# Allegro board MB1167.brd (continued)
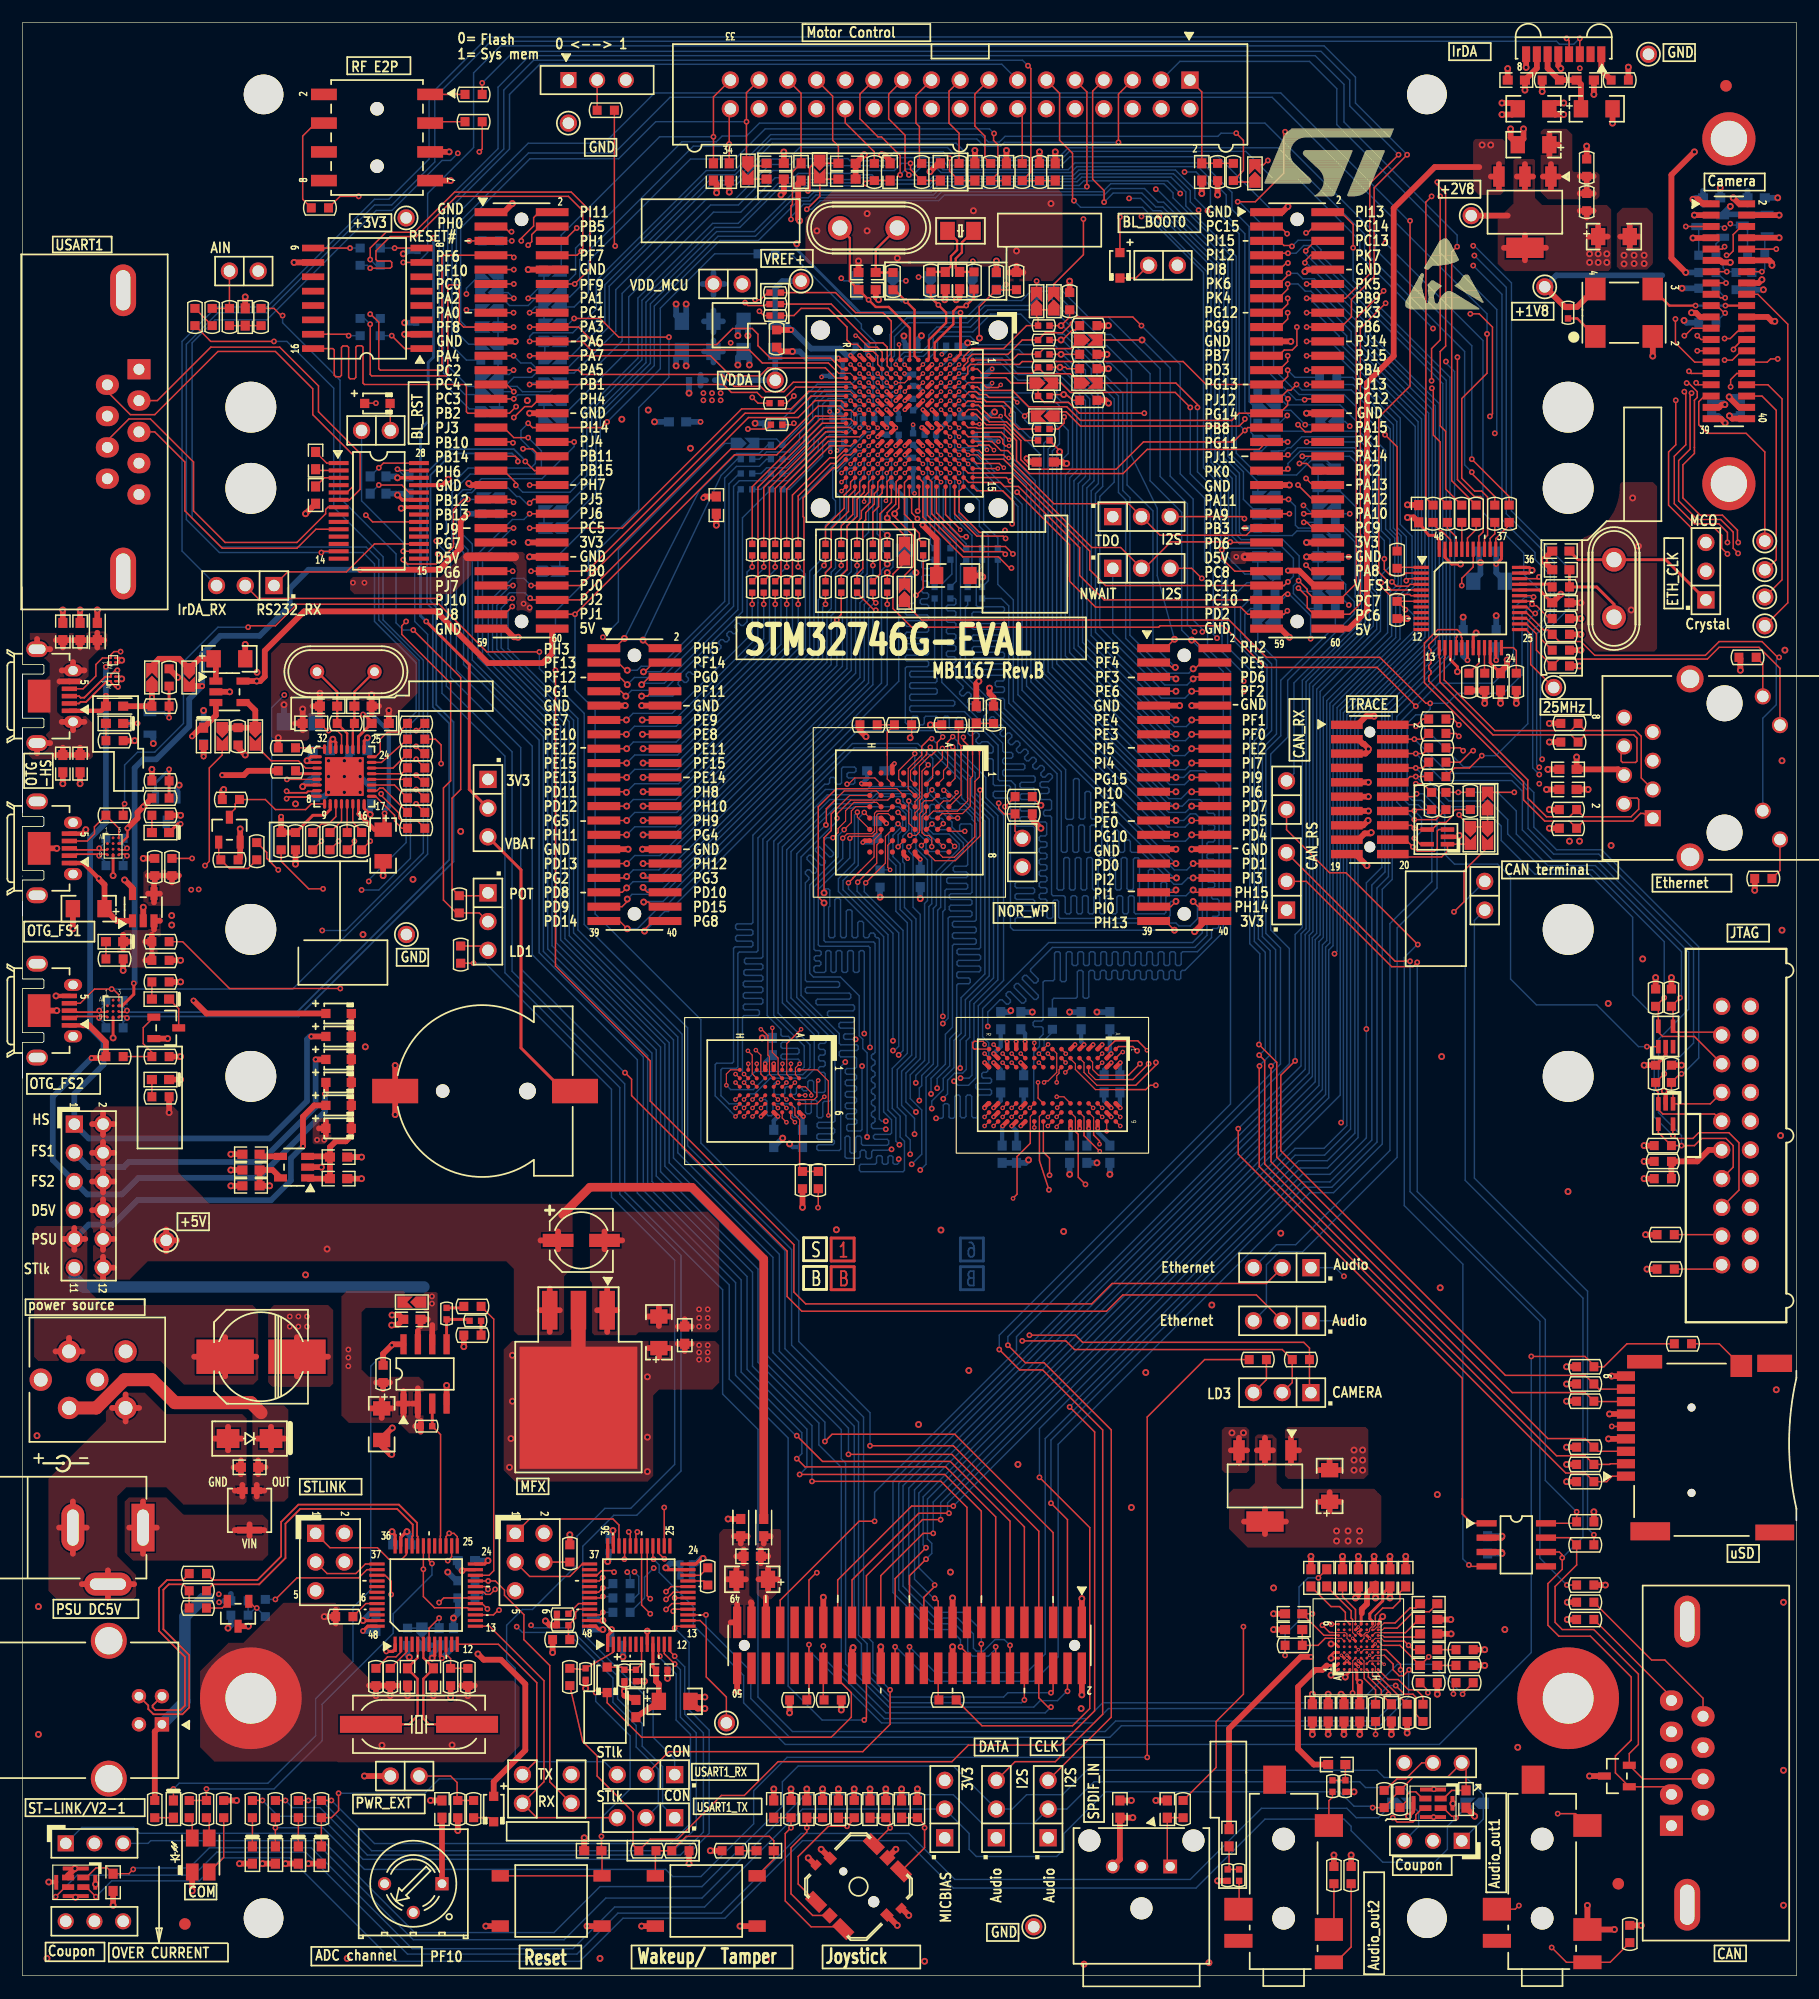
[diagram p0: board, top side]
## Routing (per net, layer and track width the routed paths; a pad name or vN(x,y) marks a point on that pad's centre or on a via; arc(x,y) is an arc through that point) (continued)
NETCN8_3: length 27.7
  TOP w0.155: v1(23.34,104.75) 23.48,104.61 25.11,104.61 25.23,104.74 25.65,104.74 25.71,104.8 U8.7 ; v1(8.38,115.44) 8.2,115.44 7.8,115.04 D4.A2 7.79,114.87 7.3,114.87 5.45,113.02 5.12,113.02 4.99,113.16 CN8.3
  L4_SIG w0.13: v1(8.38,115.44) 8.97,115.44 9.42,114.99 11.76,114.99 20.78,105.97 21.54,105.97 22.9,104.61 23.2,104.61 v1(23.34,104.75)
NETCN8_4: length 29
  TOP w0.127: v1(23.37,105.8) U8.5 ; v1(8.66,117.09) 8.08,117.09 7.8,116.81 D3.A2 7.06,116.53 6.48,115.95 6.48,114.94 5.35,113.81 CN8.4
  L4_SIG w0.102: v1(23.37,105.8) 22.94,105.8 14.61,114.13 14.61,114.71 12.22,117.09 v1(8.66,117.09)
NETCN9_1: length 35.8
  TOP w0.13: CN9.1 143.3,102.79 143.06,102.79 142.39,102.11 138.05,102.11 R120.2 136.78,102.11 134.59,102.11 132.72,103.98 132.72,105.59 123.95,114.35 123.95,117.86 125.14,119.04 126.85,119.04 127.21,118.69 127.21,118.4 127.27,118.34 U6.17
NETCN9_2: length 35.7
  TOP w0.13: U6.16 126.77,118.34 126.83,118.4 126.83,118.53 126.7,118.66 125.29,118.66 124.33,117.7 124.33,117.44 124.54,117.24 124.54,116.98 124.33,116.78 124.33,116.52 124.54,116.31 124.54,116.05 124.33,115.85 124.33,115.59 124.54,115.39 124.54,115.13 124.33,114.93 124.33,114.51 133.1,105.75 133.1,104.14 134.75,102.49 136.78,102.49 R114.2 138.05,102.49 142.23,102.49 142.9,103.16 142.9,104.01 142.77,104.14 141.73,104.14 141.6,104.01 141.6,103.63
NETCN9_3: length 28
  TOP w0.13: CN9.3 143.13,105.92 143.13,109.6 142.62,110.11 138.18,110.11 R89.2 136.91,110.11 130.18,110.11 125.71,114.58 125.71,116.49 125.77,116.55 U6.14
NETCN9_6: length 28.1
  TOP w0.13: U6.13 125.27,116.55 125.33,116.49 125.33,114.42 130.02,109.73 136.91,109.73 R97.2 138.18,109.73 142.46,109.73 142.75,109.44 142.75,107.42 142.62,107.29 141.48,107.29 141.35,107.42 141.35,108.58 141.48,108.71 141.6,108.71
NETCN9_9: length 3.7
  TOP w0.127: R131.1 155.39,97.74 CN9.9
NETCN9_10: length 39.8
  TOP w0.127: U6.28 132.97,120.54 134.51,119 134.87,119 R76.1 135.89,117.98 137.79,117.98 139.01,116.76 148.79,116.76 150.01,117.98 153.8,117.98 155.19,116.59 v1(155.32,116.59)
  BOTTOM w0.127: v1(155.32,116.59) 155.07,116.33 155.07,112.39 153.87,111.2 CN9.10
NETCN9_11: length 31.9
  TOP w0.127: CN9.11 155.39,115.62 153.54,117.47 150.01,117.47 148.97,116.43 135.86,116.43 R79.1 133.86,117.22 133.86,118.67 132.98,119.54 U6.26
NETCN9_12: length 3.7
  TOP w0.127: CN9.12 153.87,116 R78.1
NETCN11_6: length 47.8
  TOP w0.102: 82.98,107.95 82.98,104.44 U9.A4
  TOP w0.127: CN11.6 103.68,114.86 v3(103.5,114.68) ; 82.98,107.95 82.98,108.46 v4(83.13,108.61) 82.75,108.99 82.75,110.57 R92.1
  L4_SIG w0.102: v4(83.13,108.61) 83.85,108.61 84.42,109.18 96.89,109.18 101.88,114.17 103,114.17 v3(103.5,114.68)
  BOTTOM w0.127: v3(103.5,114.68) 102.97,114.15 100.99,114.15 96.39,118.75 JP5.1
NETCN12_2: length 58.2
  TOP w0.127: v1(146.69,79.76) 146.56,79.76 R141.1 145.8,78.25 145.94,78.11 U15.1 149.24,77.1 CN15.7 ; R86.1 123.83,111.12 v1(123.19,110.49) 123.06,110.62 CN12.2
  BOTTOM w0.127: v1(146.69,79.76) 146.81,79.76 148.21,81.15 148.21,90.98 139.62,99.57 135.64,99.57 133.63,101.57 133.63,104.63 131.35,106.91 127.41,106.91 123.83,110.49 v1(123.19,110.49)
NETCN12_4: length 59.4
  TOP w0.127: CN12.4 v1(123.06,109.35) 123.83,109.35 R93.1 ; v1(145.16,79.76) R140.2 144.4,78.34 144.64,78.11 U15.3 144.64,76.6 145.03,76.2 149.61,76.2 CN15.9
  BOTTOM w0.127: v1(123.06,109.35) 126.09,106.32 131.58,106.32 133.12,104.78 133.12,101.45 135.38,99.19 139.37,99.19 147.75,90.8 147.75,82.47 145.16,79.88 v1(145.16,79.76)
NETCN12_6: length 72.4
  TOP w0.127: CN15.13 151.26,71.5 151.26,73.41 150.62,74.04 148.46,74.04 147.83,73.41 v1(146.69,73.41) R143.1 144.64,74.56 U15.4 ; v1(123.19,105.41) 123.83,105.41 R111.2 ; R99.1 123.83,108.08 v1(123.19,108.08) CN12.6
  L4_SIG w0.102: v1(123.19,105.41) 122.68,105.92 122.68,107.57 v1(123.19,108.08)
  BOTTOM w0.127: v1(123.19,108.08) 125.58,105.69 131.67,105.69 132.61,104.75 132.61,101.32 135.28,98.65 139.19,98.65 147.32,90.53 147.32,85.47 144.65,82.8 144.65,76.33 146.69,74.3 v1(146.69,73.41)
NETCN12_8: length 47.6
  TOP w0.127: v1(145.16,86.49) R136.1 144.64,85.49 U12.5 144.64,83.44 145.02,83.06 147.83,83.06 CN15.5 ; R101.1 123.83,106.81 v1(123.19,106.81) CN12.8
  BOTTOM w0.127: v1(123.19,106.81) 126.11,103.89 129.67,103.89 131.32,102.23 131.32,100.97 134.49,97.79 138.81,97.79 145.16,91.44 v1(145.16,86.49)
NETCN12_10: length 63.1
  TOP w0.127: U15.5 145.92,75.29 v1(145.92,74.3) 146.18,74.04 147.7,74.04 148.21,74.55 150.88,74.55 151.76,73.66 151.76,69.47 CN15.15 ; CN12.10 122.17,105.54 122.68,106.05 v1(123.19,106.05) R104.1
  BOTTOM w0.127: v1(145.92,74.3) 144.27,75.95 144.27,84.84 142.37,86.74 142.37,93.6 138.56,97.41 133.73,97.41 130.75,100.39 130.75,101.66 129.03,103.38 125.86,103.38 v1(123.19,106.05)
NETCN12_12: length 98.8
  TOP w0.127: v1(123.27,104.52) 123.01,104.27 CN12.12 ; U12.1 v1(143.63,82.16) ; v1(103.25,138.68) 101.92,140.02 92.65,140.02 91.82,140.84 SB7.1
  L4_SIG w0.102: v1(123.27,104.52) 122.81,104.52 120.27,107.06 115.39,107.06 v1(107.98,114.48)
  BOTTOM w0.127: v1(143.63,82.16) 142.89,82.16 139.19,85.85 133.86,85.85 131.57,88.14 131.57,97.16 130.43,98.3 126.62,98.3 125.76,99.16 125.76,102.64 123.88,104.52 v1(123.27,104.52) ; v1(107.98,114.48) 107.98,115.16 106.06,117.08 106.06,118.47 106.05,118.48 106.05,124.33 105.03,125.35 105.03,131.04 103.25,132.82 v1(103.25,138.68)
NETCN12_14: length 64.6
  TOP w0.127: SB8.1 101.98,140.84 103.89,138.94 v1(103.89,138.68) ; U10.5 123.59,100.06 v1(123.06,100.58) ; CN12.14 123.04,103 v1(123.06,103.02) 123.16,103.12 R111.1
  L4_SIG w0.102: v1(123.06,103.02) 122.78,103.02 119.63,106.17 115.37,106.17 v1(107.98,113.56)
  BOTTOM w0.127: v1(103.89,138.68) 103.89,132.99 105.49,131.39 105.49,125.65 106.55,124.59 106.55,117.47 108.71,115.32 108.71,114.3 v1(107.98,113.56) ; v1(123.06,100.58) 123.7,101.22 123.7,102.39 v1(123.06,103.02)
NETCN12_16: length 67.4
  TOP w0.127: CN12.16 122.81,101.73 v1(123.06,101.47) 123.18,101.36 U10.4 124.63,101.36 125.25,101.98 125.86,101.98 126.49,102.62 126.49,102.92 126.7,103.12 R113.1 ; v3(98.98,144.65) SB6.1
  L4_SIG w0.102: v1(104.32,118.85) 104.32,118.69 106.83,116.18 106.83,113.77 115.7,104.9 119.63,104.9 v1(123.06,101.47)
  BOTTOM w0.127: v1(104.32,118.85) 104.32,119.08 103.5,119.89 103.5,130.58 101.47,132.61 101.47,142.16 v3(98.98,144.65)
NETCN12_18: length 75.9
  TOP w0.127: U10.3 125.22,101.36 125.09,101.23 125.09,99.69 124.84,99.44 123.32,99.44 v1(122.94,99.82) 122.3,100.46 CN12.18 ; v1(89.66,149.86) SB3.1
  L4_SIG w0.102: v1(122.94,99.82) 122.43,100.33 122.43,100.84 119.51,103.76 115.7,103.76 105.97,113.49 105.97,116.23 103.63,118.57 v1(103.63,118.85)
  BOTTOM w0.127: v1(89.66,149.86) 90.17,149.35 91.57,149.35 94.23,146.69 96.01,146.69 100.58,142.11 100.58,132.59 103,130.18 103,119.48 v1(103.63,118.85)
NETCN12_20: length 7.7
  TOP w0.127: 127.89,100.08 127.87,100.06 U10.1 125.99,99.45 125.48,98.93 122.44,98.93 122.18,99.19 CN12.20
NETCN13_2: length 4.7
  TOP w0.155: CN13.2 4.69,99.05 4.83,99.18 6.63,99.18 v1(6.77,99.04) 6.91,99.18 7.44,99.18 D5.D1
  BOTTOM w0.155: v1(6.77,99.04) 7.37,98.45 R284.1
NETCN13_3: length 4.7
  TOP w0.155: CN13.3 4.69,99.69 4.83,99.56 6.63,99.56 v1(6.77,99.7) 6.91,99.56 7.44,99.56 D5.C1
  BOTTOM w0.155: v1(6.77,99.7) 7.37,100.29 R283.1
NETCN13_4: length 7
  TOP w0.127: CN13.4 5.73,100.34 6.35,100.97 6.35,101.6 R117.1 8.5,101.48 D5.A3
NETCN14_2: length 4.7
  TOP w0.155: D6.D1 7.44,84.83 6.91,84.83 v1(6.77,84.69) 6.63,84.83 4.83,84.83 4.69,84.69 CN14.2
  BOTTOM w0.155: v1(6.77,84.69) 7.37,84.09 R288.1
NETCN14_3: length 4.7
  TOP w0.155: CN14.3 4.69,85.34 4.83,85.21 6.63,85.21 v1(6.77,85.35) 6.91,85.21 7.44,85.21 D6.C1
  BOTTOM w0.155: v1(6.77,85.35) 7.37,85.94 R286.1
NETCN14_4: length 76.8
  TOP w0.127: v1(39.37,130.56) 38.99,130.56 38.1,129.67 38.1,126.36 36.58,124.84 34.04,124.84 v1(33.66,125.22) ; D6.A3 8.5,86.75 8,87.25 v1(7.87,87.25) 6.35,87.25 5.09,85.99 CN14.4
  BOTTOM w0.127: v1(7.87,87.25) 23.88,87.25 35.81,99.19 35.81,118.62 34.67,119.76 34.67,124.08 33.66,125.09 v1(33.66,125.22) ; 40.64,130.56 v1(39.37,130.56)
NETCN15_3: length 40.7
  TOP w0.127: R112.1 v1(126.95,104.65) R113.2 ; CN15.3 149.99,83.44 146.19,83.44 145.94,83.69 U12.4 145.94,85.58 R137.1 v1(146.56,86.49)
  BOTTOM w0.127: v1(146.56,86.49) 146.69,86.61 146.69,90.55 139.06,98.17 134.87,98.17 132.08,100.97 132.08,103 130.43,104.65 v1(126.95,104.65)
NETCN15_11: length 6.4
  TOP w0.508: CN15.11 149.1,73.03 148.08,72.01 R144.1 R145.2
NETCN15_17: length 4.2
  TOP w0.127: CN15.17 150.11,65.53 R148.2
NETCN15_19: length 4.3
  TOP w0.127: R149.2 149.86,62.48 CN15.19
NETCN16_1: length 96.7
  TOP w0.127: v1(109.37,80.44) 109.35,80.42 109.35,71.55 136.45,44.45 138.18,44.45 R162.2 140.08,43.69 140.56,44.17 CN16.1
  BOTTOM w0.127: v1(109.37,80.44) 109.37,80.49 110.31,81.43 110.31,90.65 109.27,91.69 109.27,108.94 110.44,110.11 110.44,116 108.08,118.36 108.08,120.4 108.58,120.9 R281.1
NETCN16_2: length 96.5
  TOP w0.127: CN16.2 140.39,45.27 140.34,45.21 R161.2 138.18,45.97 135.64,45.97 109.83,71.78 109.83,80.92 v1(109.35,81.41)
  BOTTOM w0.127: v1(109.35,81.41) 109.88,81.94 109.88,90.5 108.92,91.47 108.92,109.22 110.03,110.34 110.03,115.9 107.7,118.24 107.7,120.9 R275.1
NETCN16_3: length 91.5
  TOP w0.127: CN16.3 139.3,46.37 R160.2 138.18,47.5 134.87,47.5 110.39,71.98 v1(110.39,80.44)
  BOTTOM w0.127: SB63.1 109.22,117.98 110.87,116.33 110.87,109.8 109.63,108.56 109.63,91.9 110.79,90.73 110.79,80.82 110.41,80.44 v1(110.39,80.44)
NETCN16_7: length 96.6
  TOP w0.127: CN16.7 138.97,50.77 R158.2 138.18,51.56 131.72,51.56 110.9,72.39 110.9,80.77 v1(109.32,82.35)
  BOTTOM w0.127: SB61.2 110.74,123.57 110.36,123.19 108.25,123.19 107.19,122.12 107.19,117.98 109.6,115.57 109.6,110.57 108.51,109.47 108.51,91.26 109.4,90.37 109.4,82.42 v1(109.32,82.35)
NETCN16_8: length 99
  TOP w0.127: CN16.8 139.39,51.87 R157.2 138.18,53.09 131.11,53.09 111.26,72.95 111.26,79.63 v1(112.52,80.9)
  BOTTOM w0.127: R260.1 116.46,128.27 116.71,128.27 118.11,126.87 118.11,122.12 118.39,121.84 118.39,119.79 113.16,114.55 113.16,92.71 112.52,92.08 v1(112.52,80.9)
NETCN16_10: length 5.2
  TOP w0.127: CN16.10 150.01,55.88 R154.2
NETCN17_1: length 10.7
  TOP w0.508: 9.43,39.62 CN17.1 ; CN17.1 10.64,37.31 ; CN17.1 10.64,41.94 ; CN17.1 11.86,39.62 ; 18.76,39.4 D13.1 ; D13.1 21.37,39.4 ; D13.1 20.07,38.89 ; D13.1 20.07,39.91
NETCN19_4: length 2.3
  TOP w0.127: R165.2 CN19.4
NETCN20_22: length 2.8
  TOP w0.127: CN20.22 80.96,24.45 R192.1
NETCN20_39: length 20.1
  TOP w0.127: CN20.39 69.53,34.99 70.18,35.64 v1(70.23,35.64) ; U22.27 56.23,37.37 v1(56.74,36.86)
  L4_SIG w0.102: v1(56.74,36.86) 57.45,36.86 58.37,35.94 69.93,35.94 v1(70.23,35.64)
NETCN20_43: length 116.6
  TOP w0.127: CN20.43 66.99,33.21 73.96,40.18 v1(75.34,40.18)
  BOTTOM w0.127: SB60.1 116.99,123.04 116.99,122.28 117.75,121.51 117.75,120.45 111.86,114.55 111.86,109.52 110.36,108.03 110.36,92.48 112.01,90.83 112.01,80.64 87.88,56.52 87.88,55.3 75.34,42.75 v1(75.34,40.18)
NETCN21_2: length 19
  TOP w0.155: R166.1 14.73,35.55 14.19,35.01 14.18,35.01 14.16,34.99 12.76,34.99 12.07,34.29 12.07,30.48 14.35,28.19 14.35,23.88 13.97,23.5 11.73,23.5 11.49,23.73 11.49,23.89 CN21.2
NETCN21_3: length 21.2
  TOP w0.155: R171.1 R169.1 14.73,34.05 14.19,34.59 14.18,34.59 14.16,34.61 12.92,34.61 12.45,34.13 12.45,30.64 14.73,28.35 14.73,23.72 14.13,23.11 11.57,23.11 11.11,23.58 11.11,23.89 CN21.3
NETCN22_2: length 98
  TOP w0.127: CN22.2 145.12,16.7 D14.1 140.84,17.93 140.84,19.43 142.24,20.83 142.24,26.42 138.63,30.02 135.84,30.02 134.87,30.99 134.87,34.67 136.14,35.94 v1(136.14,36.96) 136.14,37.21 135.89,37.47 U20.6
  BOTTOM w0.127: v1(136.14,36.96) 137.97,38.79 137.97,59.92 127.56,70.33 127.56,95.05 JP12.2
NETCN22_5: length 10
  TOP w0.127: R174.2 145.8,24.64 CN22.5
NETCN22_7: length 35.3
  TOP w0.127: CN22.7 143.27,17.4 D14.2 142.07,19.64 142.88,20.45 142.88,26.67 138.94,30.61 136.14,30.61 135.51,31.24 135.51,34.42 137.41,36.32 R164.1 136.78,38.73 U20.7
NETCN22_9: length 14.8
  TOP w0.127: CN22.9 148.59,24.54 145.21,27.91 144.04,27.91 R170.2
NETCN24_5: length 5.3
  TOP w0.127: R198.1 121.54,17.4 122.3,17.4 123.72,18.81 CN24.5
NETCN25_2: length 8.1
  TOP w0.127: CN25.2 116.12,1.18 117.47,2.54 R222.1
NETCN25_3: length 4.2
  TOP w0.127: R221.1 115.95,4.53 CN25.3
NETCN25_4: length 2.5
  TOP w0.127: CN25.4 107.57,5.94 R220.1
NETCN25_6: length 3.1
  TOP w0.127: R196.2 115.82,15.79 115.51,15.47 CN25.6
NETD1_1: length 106
  TOP w0.127: D1.1 v1(97.03,155.52) ; U5.20 30.95,128.56 v1(30.35,129.16)
  L4_SIG w0.102: v1(97.03,155.52) 95.68,155.52 92.46,158.75 80.9,158.75 80.52,158.37 75.69,158.37 74.55,159.51 35.94,159.51 32.26,155.83 32.26,146.3 27.69,141.73 27.69,131.83 v1(30.35,129.16)
NETD1_2: length 3
  TOP w0.127: JP1.1 98.44,150.13 D1.2
NETD2_2: length 2.4
  TOP w0.127: D2.2 32.51,139.02 JP3.1
NETD5_C3: length 135.5
  TOP w0.155: D5.C3 8.56,99.56 9.09,99.56 v1(9.23,99.7)
  L4_SIG w0.13: v1(113.26,130.02) 112.99,130.29 112.99,130.46 113.14,130.61 114.22,130.61 114.81,130.02 114.81,123.25 113.28,121.72 110.31,121.72 109.07,120.47 99.24,120.47 96.9,118.14 59.21,118.14 57.51,119.84 50.47,119.84 47.88,117.25 47.88,115.14 38.05,105.31 38.05,103.17 33.27,98.4 25.78,98.4 24.18,100 10.26,100 9.82,99.56 9.37,99.56 v1(9.23,99.7)
  BOTTOM w0.127: R283.2 8.89,100.04 v1(9.23,99.7) ; v1(113.26,130.02) 113.28,130.02 114.02,129.29 115.06,129.29 115.49,129.72 115.75,129.72 SB52.1
NETD15_2: length 1.9
  TOP w0.127: D15.2 41.29,13.97 R209.1
NETJP3_2: length 13.6
  TOP w0.127: U5.16 v1(33.66,125.96)
  BOTTOM w0.127: v1(33.66,125.96) 33.66,126.75 29.97,130.43 JP3.2
NETJP5_3: length 129.9
  TOP w0.127: v1(86.36,55.37) 88.16,53.57 90.2,53.57 95.5,48.26 95.5,23.11 91.31,18.92 87.76,18.92 JP18.3 ; JP5.3 103.38,124.46 v1(104.27,123.57)
  BOTTOM w0.127: v1(86.36,55.37) 86.36,56.64 106.81,77.09 106.81,115.32 104.78,117.35 104.78,123.06 v1(104.27,123.57)
NETJP6_2: length 20
  TOP w0.127: v1(134.09,123.7) 133.93,123.54 U6.34
  L4_SIG w0.102: JP6.2 146.18,124.21 142.24,128.14 140.16,128.14 138.35,126.34 136.73,126.34 v1(134.09,123.7)
NETJP6_3: length 53.9
  L4_SIG w0.102: JP6.3 145.41,126.75 143.59,128.57 143.59,139.09 139.24,143.43 134.11,143.43 117.25,126.57 v1(117.25,125.48)
  BOTTOM w0.127: SB57.1 v1(117.25,125.48)
NETJP7_1: length 14.3
  TOP w0.127: JP7.1 23.43,124.14 28.64,124.14 31.11,126.61 U5.17
NETJP7_2: length 138.6
  TOP w0.127: 19.68,122.94 20.83,121.79 v1(36.83,121.79)
  BOTTOM w0.127: v1(36.83,121.79) 37.08,121.54 37.08,113.41 42.65,107.85 42.65,88.7 52.81,78.54 52.81,69.11 58.22,63.7 58.22,44.63 54.31,40.72 52.27,40.72 49.53,37.97 49.53,30.25 55.75,24.03 55.75,21.08 57.66,19.18 JP14.1
NETJP7_3: length 161.2
  TOP w0.127: v1(136.53,171.32) 136.75,171.1 U1.4
  BOTTOM w0.127: 17.14,122.94 14.1,125.98 14.1,144.53 17.14,147.57 21.59,147.57 31.11,157.1 32.38,157.1 35.94,160.66 35.94,166.24 41.15,171.45 136.4,171.45 v1(136.53,171.32)
NETJP8_2: length 77
  TOP w0.127: JP8.2 111.76,101.35 115.57,97.54 117.02,97.54 v1(123.37,91.19) ; U20.4 128.02,36.2 v1(127.89,36.32)
  BOTTOM w0.127: v1(127.89,36.32) 127.36,36.86 127.36,62.92 122.17,68.1 122.17,90.04 123.32,91.19 v1(123.37,91.19)
NETJP9_2: length 111.5
  TOP w0.254: U4.C1 82.93,143.41 v1(82.93,147.07) ; v1(35.69,119.76) 39.5,115.95 39.5,104.9 41.15,103.25
  L4_SIG w0.254: v3(68.45,153.16) 58.8,153.16 53.34,158.62 41.27,158.62 v1(36.32,153.67)
  BOTTOM w0.254: v3(68.45,153.16) 68.45,152.65 73,148.11 73,148.09 73.16,147.93 73.18,147.93 74.04,147.07 v1(82.93,147.07) ; v1(35.69,119.76) 35.18,120.27 35.18,136.75 35.86,137.44 35.86,142.67 36.32,143.13 v1(36.32,153.67)
NETJP10_2: length 11
  TOP w0.102: U9.B4 81.43,103.89 81.99,103.89 82.59,104.48 v5(82.59,104.65)
  TOP w0.127: v1(86.31,103.68) 86.31,103.23 86.79,102.74 R116.1 87.76,101.22 JP10.2
  L4_SIG w0.102: v1(86.31,103.68) 83.55,103.68 v5(82.59,104.65)
NETJP11_2: length 72.9
  TOP w0.127: JP11.2 113.51,96.77 121.06,89.23 122.94,89.23 v1(123.32,89.61) ; U20.8 137.29,40.01 R163.1 v1(137.41,41.02)
  BOTTOM w0.127: v1(123.32,89.61) 123.32,69.34 134.65,58.01 134.65,43.79 v1(137.41,41.02)
NETJP11_3: length 76.7
  TOP w0.127: v1(122.68,89.71) 121.36,89.71 JP11.3 ; R168.1 v1(136.55,34.54)
  BOTTOM w0.127: v1(122.68,89.71) 122.68,69.34 134.16,57.86 134.16,36.93 v1(136.55,34.54)
NETJP12_1: length 60.9
  TOP w0.127: R164.2 v1(138.94,38.99)
  BOTTOM w0.127: JP12.1 128.37,93.32 128.37,70.54 138.38,60.53 138.38,39.55 v1(138.94,38.99)
NETJP15_2: length 39.2
  TOP w0.127: U21.39 32.06,35.41 32.59,34.87 v1(32.59,33.71) ; JP15.2 37.85,17.65 38.42,17.08 38.42,15.56 R208.1 R209.2
  L4_SIG w0.102: v1(32.59,33.71) 35.48,30.81 38.89,30.81 43.69,26.01 43.69,19.94 41.4,17.65 JP15.2
NETJP16_2: length 25.4
  TOP w0.127: JP16.2 46.61,17.14 46.61,27.43 44.32,29.72 44.32,31.93 42.61,33.64 42.61,34.1 41.8,34.9 v1(41.17,34.9) U21.21
  BOTTOM w0.127: R289.2 40.03,34.9 v1(41.17,34.9)
NETJP18_1: length 40.4
  TOP w0.127: U23.A9 v1(115.73,31.08)
  L4_SIG w0.102: v1(115.73,31.08) 115.39,31.42 114.51,31.42 114.2,31.11 110.23,31.11 98.42,19.3 89.79,19.3 88.9,18.41 88.9,14.99 JP18.1
NETJP19_1: length 42.4
  TOP w0.089: 115.82,30.35 115.84,30.34 116.98,30.34 117.11,30.21 117.11,29.83 117.36,29.58 U23.C6
  TOP w0.127: 115.82,30.35 115.57,30.35 v1(114.94,30.99)
  L4_SIG w0.102: v1(114.94,30.99) 113.46,29.51 110.79,29.51 109.22,27.94 109.22,15.75 108.08,14.61 93.09,14.61 JP19.1
NETJP19_3: length 123.8
  TOP w0.127: v1(87.12,55.75) 88.67,54.2 90.32,54.2 96.27,48.26 96.27,22.86 JP19.3
  BOTTOM w0.127: R280.2 116.08,119.38 111.25,114.55 111.25,109.65 109.93,108.33 109.93,92.18 111.23,90.88 111.23,80.62 87.12,56.52 v1(87.12,55.75)
NETJP20_1: length 306.3
  TOP w0.127: v1(26.42,125.86) 26.52,125.96 U5.13 ; U1.3 v1(137.7,171.32)
  L4_SIG w0.102: v1(30.61,96.77) 30.61,94.49 29.34,93.22 29.34,65.41 33.5,61.24 33.5,36.73 35.41,34.82 38.02,34.82 41.53,31.32 44.63,31.32 v1(44.96,30.99)
  BOTTOM w0.127: v1(137.7,171.32) 137.67,171.32 137.16,170.81 135.89,170.81 135.64,171.07 41.4,171.07 36.45,166.12 36.45,160.4 32.64,156.59 31.11,156.59 21.59,147.07 17.27,147.07 14.48,144.27 14.48,128.78 17.4,125.86 v1(26.42,125.86) 30.1,125.86 31.11,124.84 31.11,119.76 34.8,116.08 34.8,111.76 33.91,110.87 33.91,100.2 30.61,96.9 v1(30.61,96.77) ; v1(44.96,30.99) 45.19,30.76 48.34,30.76 52.6,26.49 52.6,24.49 54.79,22.3 54.79,20.29 56.59,18.49 56.59,15.04 JP20.1
NETJP20_2: length 340.8
  L4_SIG w0.102: v1(137.7,168.68) 137.7,164.11 134.8,161.21 127.64,161.21 126.67,162.18 121.64,162.18 119.99,163.83 109.09,163.83 105.79,160.53 103,160.53 100.46,157.99 v1(100.2,157.99) 98.93,157.99 97.54,159.38 96.27,159.38 93.47,162.18 84.07,162.18 83.06,163.19 56.39,163.19 55.5,162.31 39.62,162.31 v1(38.48,161.16) ; v1(29.97,96.01) 29.97,94.49 29.08,93.6 29.08,65.33 33.22,61.19 33.22,36.6 35.31,34.52 37.95,34.52 41.61,30.86 v1(43.69,30.86)
  BOTTOM w0.127: v1(38.48,161.16) 37.85,160.53 37.08,160.53 32.67,156.11 31.27,156.11 21.59,146.43 17.02,146.43 14.99,144.4 14.99,128.91 17.55,126.34 30.38,126.34 31.5,125.22 31.5,119.89 35.05,116.33 35.05,111.43 34.29,110.67 34.29,98.81 31.5,96.01 v1(29.97,96.01) ; SB54.1 107.95,130.56 107.95,132.99 106.58,134.37 106.58,151.71 100.3,157.99 v1(100.2,157.99) ; JP20.2 56.21,15.06 56.21,18.26 54.25,20.22 54.25,22.12 52.2,24.18 52.2,26.32 48.17,30.35 44.2,30.35 v1(43.69,30.86)
NETJP21_1: length 43.2
  TOP w0.127: v1(120.78,24.89) 120.78,25.15 119.36,26.56 U23.G1
  L4_SIG w0.089: 119.94,28.13 119.94,26.92 120.19,26.67
  L4_SIG w0.102: 119.94,28.13 118.98,29.08 118.87,29.08 117.6,30.35 117.6,30.99 117.25,31.34 117.25,31.65 114.05,34.85 114.05,36.07 114.44,36.46 114.44,37.33 113.92,37.85 113.92,46.35 116.84,49.28 v1(116.84,57.91) ; 120.19,26.67 120.78,26.09 v1(120.78,24.89)
  BOTTOM w0.127: JP21.1 v1(116.84,57.91)
NETJP21_2: length 151.8
  TOP w0.127: 111.38,57.91 109.09,60.2 97.28,60.2 95.84,58.76 68.9,58.76 67.6,60.06 67.6,64.08 53.85,77.83 53.85,79.27 v1(53.26,79.86)
  L4_SIG w0.102: v1(36.58,126.87) 35.31,128.14 35.31,143.26 38.23,146.18 38.23,147.7 v1(39.24,148.72)
  BOTTOM w0.127: v1(36.58,126.87) 36.58,126.75 37.85,125.48 37.85,114.81 44.04,108.61 44.04,89.05 53.24,79.86 v1(53.26,79.86) ; v1(39.24,148.72) 39.24,149.22 SB24.1
NETJP21_3: length 135
  TOP w0.127: U6.30 133.22,121.54 v1(133.48,121.28) 133.6,121.16 133.86,121.16 135,120.02 R75.1 ; SB11.2 77.98,121.41 79.5,119.89 106.68,119.89 109.98,116.59 120.02,116.59 124.08,112.52 v1(124.46,112.52)
  BOTTOM w0.127: v1(133.48,121.28) 132.59,120.4 132.59,115.06 130.94,113.41 126.87,113.41 125.98,112.52 v1(124.46,112.52) 124.46,112.01 123.95,111.51 123.19,111.51 122.43,110.74 122.43,104.39 122.89,103.94 123.7,103.94 125.07,102.57 125.07,96.19 121.54,92.66 121.54,72.36 113.18,64.01 111.12,64.01 109.98,62.87 109.98,59.05 JP21.3
NETJP22_1: length 43.3
  TOP w0.089: U23.F2 119.11,27.83 120.07,27.83 120.37,27.53 v2(120.4,27.53)
  L4_SIG w0.102: v2(120.4,27.53) 120.4,29.36 118.52,31.24 118.34,31.24 115.19,34.39 115.19,37.34 114.48,38.05 114.48,45.9 117.35,48.77 117.35,61.34 v1(116.84,61.85)
  BOTTOM w0.127: JP22.1 116.08,62.61 v1(116.84,61.85)
NETJP22_2: length 152.7
  TOP w0.127: v1(48.77,146.56) 51.05,146.56 52.7,144.91 v1(57.15,144.91) ; v1(47.12,115.44) 47.12,89.28 55.5,80.9 55.5,77.34 68.2,64.64 68.2,60.45 69.24,59.41 94.54,59.41 96.34,61.21 109.98,61.21 111.38,62.61
  BOTTOM w0.127: v1(57.15,144.91) 57.15,141.35 54.48,138.68 54.48,129.67 50.04,125.22 50.04,123.57 47.12,120.65 v1(47.12,115.44) ; v1(48.77,146.56) 48.26,146.05 SB22.2
NETJP22_3: length 132.5
  TOP w0.127: v1(123.19,112.27) 119.76,115.7 109.86,115.7 106.17,119.38 100.58,119.38 100.46,119.25 78.61,119.25 76.96,120.9 76.96,123.95 77.98,124.97 SB10.2 ; v1(133.6,121.92) 133.48,122.04 U6.31
  BOTTOM w0.127: JP22.3 110.87,64.64 112.57,64.64 120.9,72.97 120.9,93.04 124.61,96.75 124.61,102.34 123.39,103.56 122.58,103.56 121.92,104.22 121.92,111 v1(123.19,112.27) 125.22,114.3 130.05,114.3 131.83,116.08 131.83,120.9 132.84,121.92 v1(133.6,121.92)
NETJP23_3: length 3.4
  TOP w0.127: JP23.3 109.98,52.7 R300.1
NETJP24_1: length 63.7
  TOP w0.127: v1(34.54,119) 38.73,114.81 38.73,104.9 37.97,104.14 37.97,96.14 R302.1 40.89,95.5 JP24.1 ; v1(22.99,146.81) 22.86,146.81 22.23,147.45 R30.2
  BOTTOM w0.127: v1(22.99,146.81) 22.99,146.18 28.07,141.1 28.07,130.68 33.02,125.73 33.02,119.63 33.66,119 v1(34.54,119)
NETJP24_3: length 2.6
  TOP w0.127: JP24.3 40.77,91.06 R299.1
NETL2_1: length 19.5
  TOP w0.508: R103.2 19.94,106.55 19.56,106.17 v1(17.65,106.17) ; SB12.2 v1(11.43,113.06) R84.2 L2.1
  L4_SIG w0.508: v1(11.43,113.06) 11.43,111.38 16.64,106.17 v1(17.65,106.17)
NETLD1_2: length 110.5
  TOP w0.127: LD1.2 R207.2 27.3,13.97 27.94,14.61 v1(27.94,16.13) ; R299.2 v1(39.88,89.53)
  BOTTOM w0.127: v1(27.94,16.13) 35.56,16.13 36.83,17.4 41.66,17.4 43.56,19.3 43.56,27.18 42.8,27.94 42.8,30.99 44.2,32.38 45.09,32.38 49.02,36.32 49.02,38.86 51.49,41.33 53.77,41.33 57.66,45.21 57.66,63.25 52.07,68.83 52.07,78.38 40.92,89.53 v1(39.88,89.53)
NETLD2_2: length 2.5
  TOP w0.127: LD2.2 R206.2
NETLD3_2: length 128.7
  TOP w0.127: R300.2 104.52,54.48 99.44,49.4 v1(99.44,19.3) ; R205.2 v1(22.35,13.08) LD3.2
  BOTTOM w0.127: v1(99.44,19.3) 67.59,19.3 64.64,16.35 64.64,13.43 59.97,8.76 57.5,8.76 56.87,9.4 30.23,9.4 26.54,13.08 v1(22.35,13.08)
NETLD4_2: length 2.5
  TOP w0.127: R204.2 LD4.2
NETLD5_1: length 1.5
  TOP w0.127: LD5.1 R96.1
NETLD5_2: length 2.4
  TOP w0.254: LD5.2 v1(10.16,110.74)
  BOTTOM w0.254: T6.3 v1(10.16,110.74)
NETLD6_1: length 2.2
  TOP w0.508: LD6.1 v1(16,107.82)
  BOTTOM w0.508: v1(16,107.82) R282.1
NETLD6_2: length 21.9
  TOP w0.254: R122.2 24.14,101.09 25.67,102.62 26.69,102.62 27.2,103.12 U8.10
  TOP w0.508: v1(14.99,109.6) 15.75,110.36 LD6.2 17.09,111.45 U7.3 ; v1(22.86,102.49) R121.2 R122.2
  L4_SIG w0.508: v1(22.86,102.49) 22.48,102.49 15.37,109.6 v1(14.99,109.6)
NETLD7_1: length 1.5
  TOP w0.127: R118.1 LD7.1
NETLD7_2: length 2.7
  TOP w0.254: LD7.2 13.72,101.85 v1(13.97,101.85)
  BOTTOM w0.254: T7.3 13.84,102.02 13.97,101.9 v1(13.97,101.85)
NETLD8_1: length 1.5
  TOP w0.127: R133.1 LD8.1
NETLD8_2: length 6.2
  TOP w0.508: 11.43,90.4 R134.2 10.83,89.79 ; LD8.2 8.89,92.05 ; LD8.2 8.89,90.83 ; LD8.2 9.54,91.44 ; 10.83,91.44 R132.2 ; R132.2 11.43,92.05 ; R132.2 11.43,90.83 ; 12.14,93.29 U11.3 11.62,92.51
NETLD9_1: length 1.5
  TOP w0.127: LD9.1 R135.1
NETLD9_2: length 2.9
  TOP w0.127: T2.3 13.8,85.51 LD9.2
NETLD10_1: length 1.5
  TOP w0.127: LD10.1 R142.1
NETLD11_1: length 1.7
  TOP w0.127: R200.2 LD11.1
NETLD11_2: length 56
  TOP w0.127: LD11.2 v1(13.34,16.51)
  TOP w0.508: R156.2 31.88,54.99 v1(32.64,55.75) 32.72,55.84 U17.8
  BOTTOM w0.127: v1(13.34,16.51) 13.84,17.02 21.69,17.02 25.91,21.23 25.91,24.49 29.21,27.79 29.21,32.56 30.78,34.14 30.78,53.9 v1(32.64,55.75)
NETLD12_2: length 1.9
  TOP w0.127: LD12.2 15,13.7 R201.2
NETLD12_3: length 1.9
  TOP w0.127: R202.2 16.5,13.73 LD12.3
NETLD12_4: length 5.3
  TOP w0.127: R203.1 17.78,10.45 LD12.4
NETR2_2: length 2.6
  TOP w0.508: U1.1 139.6,168.51 R2.2
NETR4_2: length 2.7
  TOP w0.127: R4.2 SW1.2
NETR20_1: length 13.8
  TOP w0.127: v5(81.21,140.09) U4.E5 ; R21.1 R20.1 84.58,147.57 84.58,144.82 v3(84.61,144.82)
  L4_SIG w0.102: v5(81.21,140.09) 81.57,140.44 82.07,140.44 82.37,140.74 82.37,140.95 82.66,141.24 82.87,141.24 83.59,141.96 83.59,143.15 84.58,144.15 84.58,144.81 84.6,144.82 v3(84.61,144.82)
NETR22_1: length 14.2
  TOP w0.102: 76.81,144.02 U4.K1
  TOP w0.127: 76.81,144.02 76.81,146.33 76.07,147.07 73.66,147.07 71.88,148.84 R22.1
NETR24_1: length 13.1
  TOP w0.127: R24.1 71.5,147.83 74.93,144.4 76.07,144.4 76.45,144.02 76.45,143.05 76.44,143.04 76.44,142.73 76.45,142.72 76.45,142.37 76.73,142.09 U4.K2
NETR25_1: length 3.1
  TOP w0.203: R25.1 137.47,146.56 X3.1
NETR26_1: length 12.6
  TOP w0.127: U4.L2 75.61,142.49 75.61,143.26 75.21,143.66 74.4,143.66 73.79,144.27 73.28,144.27 72.9,144.65 72.9,145.8 71.25,147.45 68.83,147.45 68.2,146.81 R26.1
NETR27_1: length 2.2
  TOP w0.127: R28.2 R27.1
NETR27_2: length 172.5
  TOP w0.127: R27.2 16.64,144.53 v1(22.23,144.53)
  L4_SIG w0.102: v1(26.49,92.43) 27,91.92 27,86.66 27.18,86.49 27.18,64.72 30.48,61.42 30.48,36.45 35.86,31.06 39.01,31.06 44.07,26.01 44.07,19.81 41.53,17.27 41.53,9.4 37.72,5.59 RV1.2
  BOTTOM w0.127: v1(26.49,92.43) 28.55,92.43 35.43,99.31 35.43,116.33 31.88,119.89 31.88,125.48 27.51,129.84 27.51,140.39 23.37,144.53 v1(22.23,144.53)
NETR31_1: length 11
  TOP w0.127: U4.B1 83.21,143.18 83.92,143.89 86.74,143.89 88.77,145.92 R31.1 89.79,146.56 89.66,146.69 SB3.2 SB4.2
NETR34_1: length 81.2
  TOP w0.127: SB16.2 SB18.2 SB17.2 127.03,102.59 v1(127.03,102.67) ; v1(98.93,145.92) 98.17,146.69 93.16,146.69 92.65,146.17 92.65,145.99 91.95,145.29 90.42,145.29 R34.1 88.39,144.65 87.12,143.38 83.95,143.38 83.58,143.01 83.58,142.73 83.21,142.37 U4.B2
  L4_SIG w0.102: v1(127.03,102.67) 127,102.69 125.97,102.69 123.69,104.98 122.99,104.98 120.14,107.82 116.08,107.82 v1(105.61,118.29)
  BOTTOM w0.127: v1(105.61,118.29) 105.28,118.62 105.28,124.33 104.52,125.09 104.52,130.66 102.36,132.82 102.36,142.49 v1(98.93,145.92)
NETR35_1: length 10.2
  TOP w0.127: U4.A1 87.51,142.89 88.01,143.38 R35.1 90.3,143.89 92.71,143.89 SB6.2
NETR37_1: length 10.4
  TOP w0.127: SB8.2 92.65,141.67 90.36,141.67 R37.1 89.25,141.7 84.82,141.7 84.43,142.09 U4.A2
NETR39_1: length 31.5
  TOP w0.127: U4.A3 84.04,141.32 86.93,141.32 87.41,140.84 SB7.2 89.79,140.59 R39.1 90.36,139.13 92.49,139.13 93.44,138.18 v1(99.19,138.18)
  L4_SIG w0.102: v1(111.82,137.97) 108.53,137.97 108.2,138.3 105.03,138.3 104.52,137.79 99.57,137.79 v1(99.19,138.18)
  BOTTOM w0.127: R247.2 111.12,137.29 111.81,137.97 v1(111.82,137.97)
NETR41_1: length 10.2
  TOP w0.127: v1(68.2,139.7) 67.56,139.06 R41.1 ; U4.L3 v5(75.61,141.69)
  L4_SIG w0.102: v5(75.61,141.69) 75.61,141.65 75.23,141.27 71.15,141.27 69.57,139.7 v1(68.2,139.7)
NETR42_1: length 9.7
  TOP w0.127: v1(68.2,137.29) 68.07,137.16 R42.1 ; v5(74.81,140.09) U4.M5
  L4_SIG w0.102: v1(68.2,137.29) 68.45,137.54 72.56,137.54 73.95,138.93 74.16,138.93 74.42,139.2 74.42,139.7 v5(74.81,140.09)
NETR43_1: length 8.1
  TOP w0.127: R43.1 88.09,136.78 86.88,137.99 86.88,138.51 86.58,138.81 85.09,138.81 84.71,139.19 84.23,139.19 84.16,139.26 83.58,139.26 U4.B6
NETR44_1: length 7.9
  TOP w0.127: U4.B7 83.63,138.51 84.38,138.51 85.47,137.41 87,137.41 88.65,135.76 R44.1
NETR45_1: length 3.1
  TOP w0.127: R45.1 124.71,128.4 125.35,127.76 125.48,127.76 126.27,126.97 U6.46
NETR46_1: length 2.7
  TOP w0.127: R46.1 125.98,128.02 126.77,127.23 U6.45
NETR46_2: length 21.1
  TOP w0.127: v1(124.61,140.39) 124.61,140.28 124.74,140.16 124.74,136.25 125.35,135.64 125.35,130.68 R46.2
  L4_SIG w0.102: v1(124.61,140.39) 120.09,140.39 117.35,137.64 v1(117.35,137.03)
  BOTTOM w0.127: SB45.2 116.94,137.44 v1(117.35,137.03)
